# Altium PCB MIN_MOW_Moway_V3 PCB.PcbDoc (part 1 of 2)
Units mm, origin at the board's own origin, x right, y up, seen from the top; angles counter-clockwise.
Board outline 85.53 x 38 mm, 4 copper layers (Top Layer, Mid-Layer 1, Mid-Layer 2, Bottom Layer), stack 1 mm thick; 188 components, 131 nets, 594 pads, 338 vias.
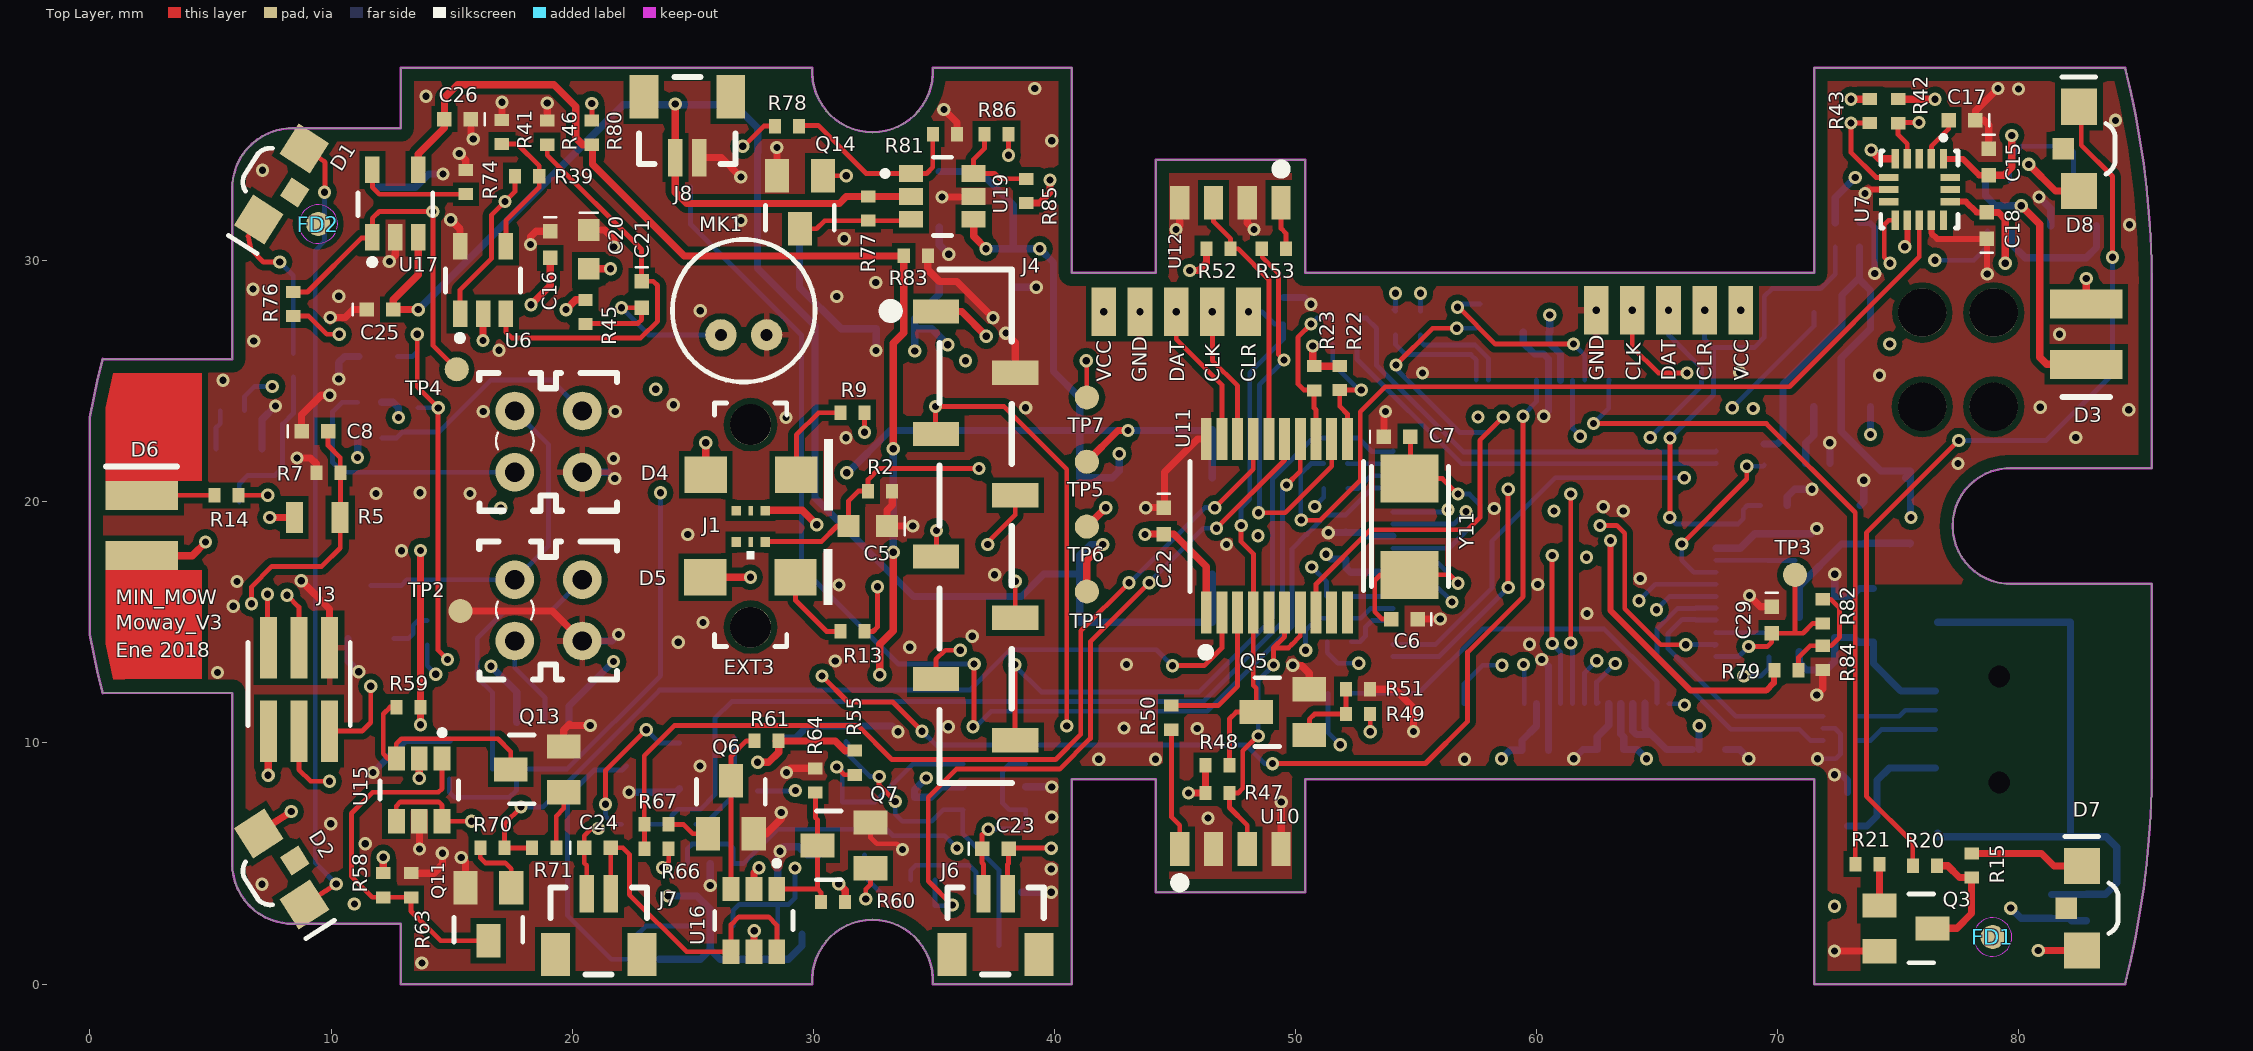
[diagram p0: Top Layer view]
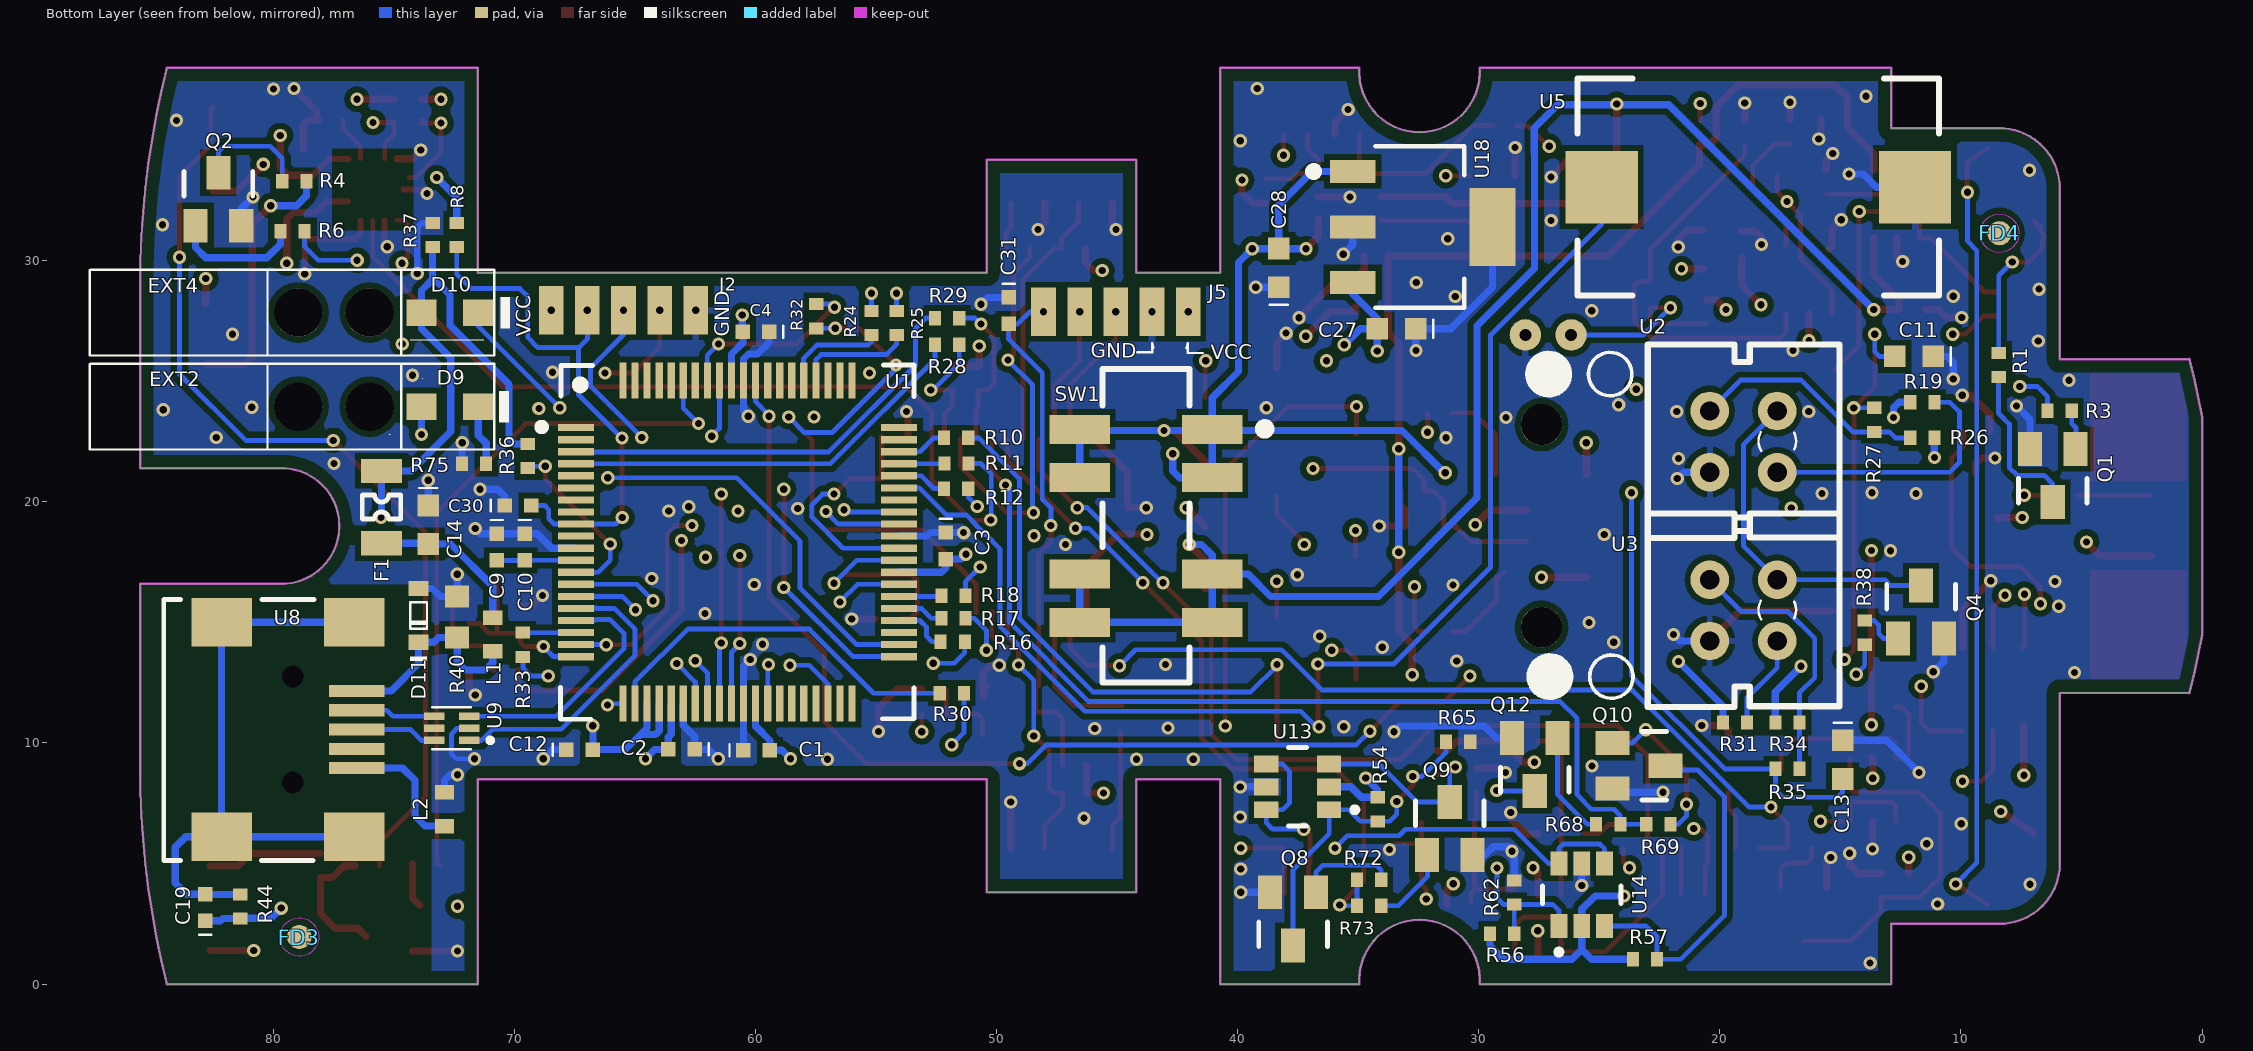
[diagram p1: Bottom Layer view, seen from below]
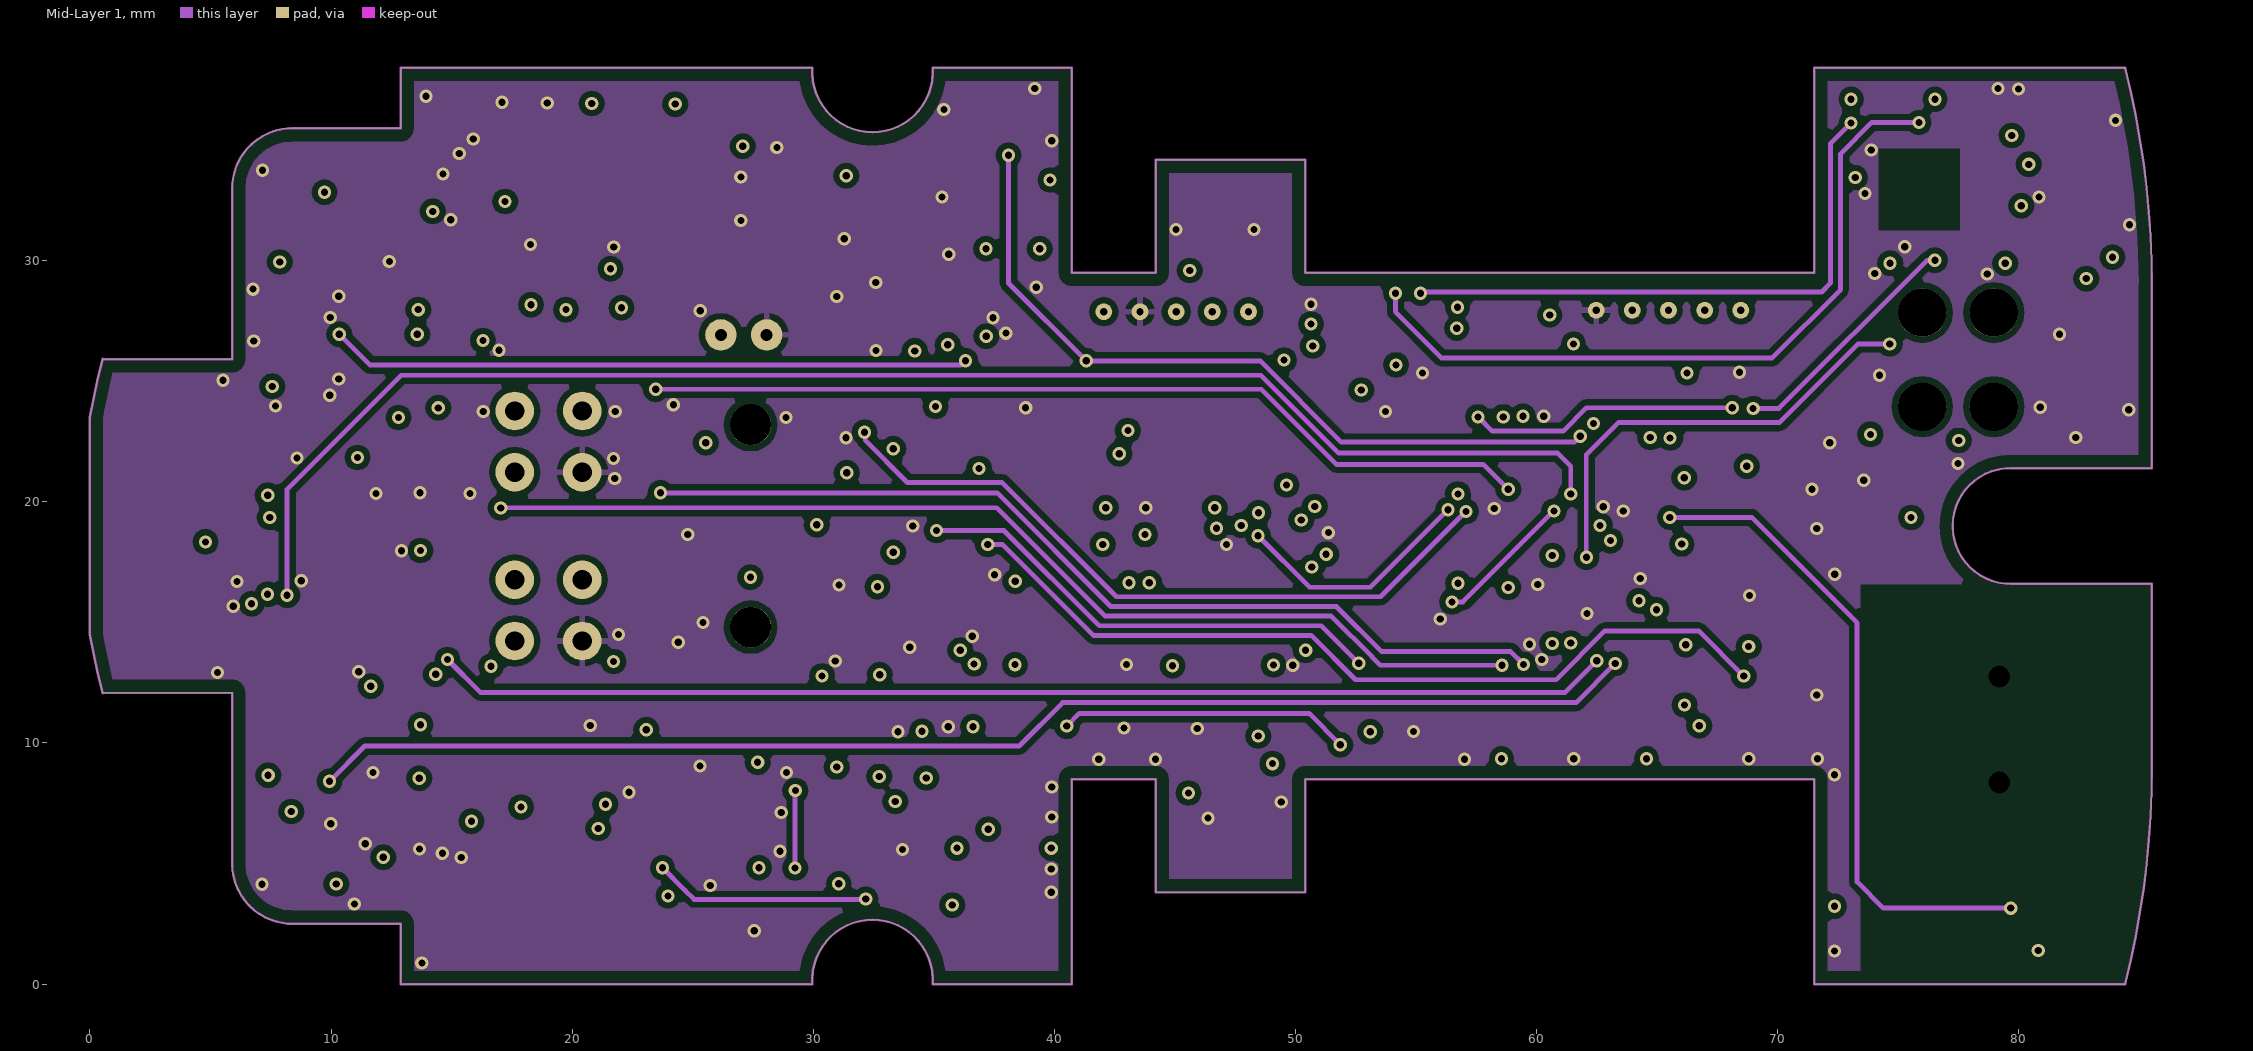
[diagram p2: Mid-Layer 1]
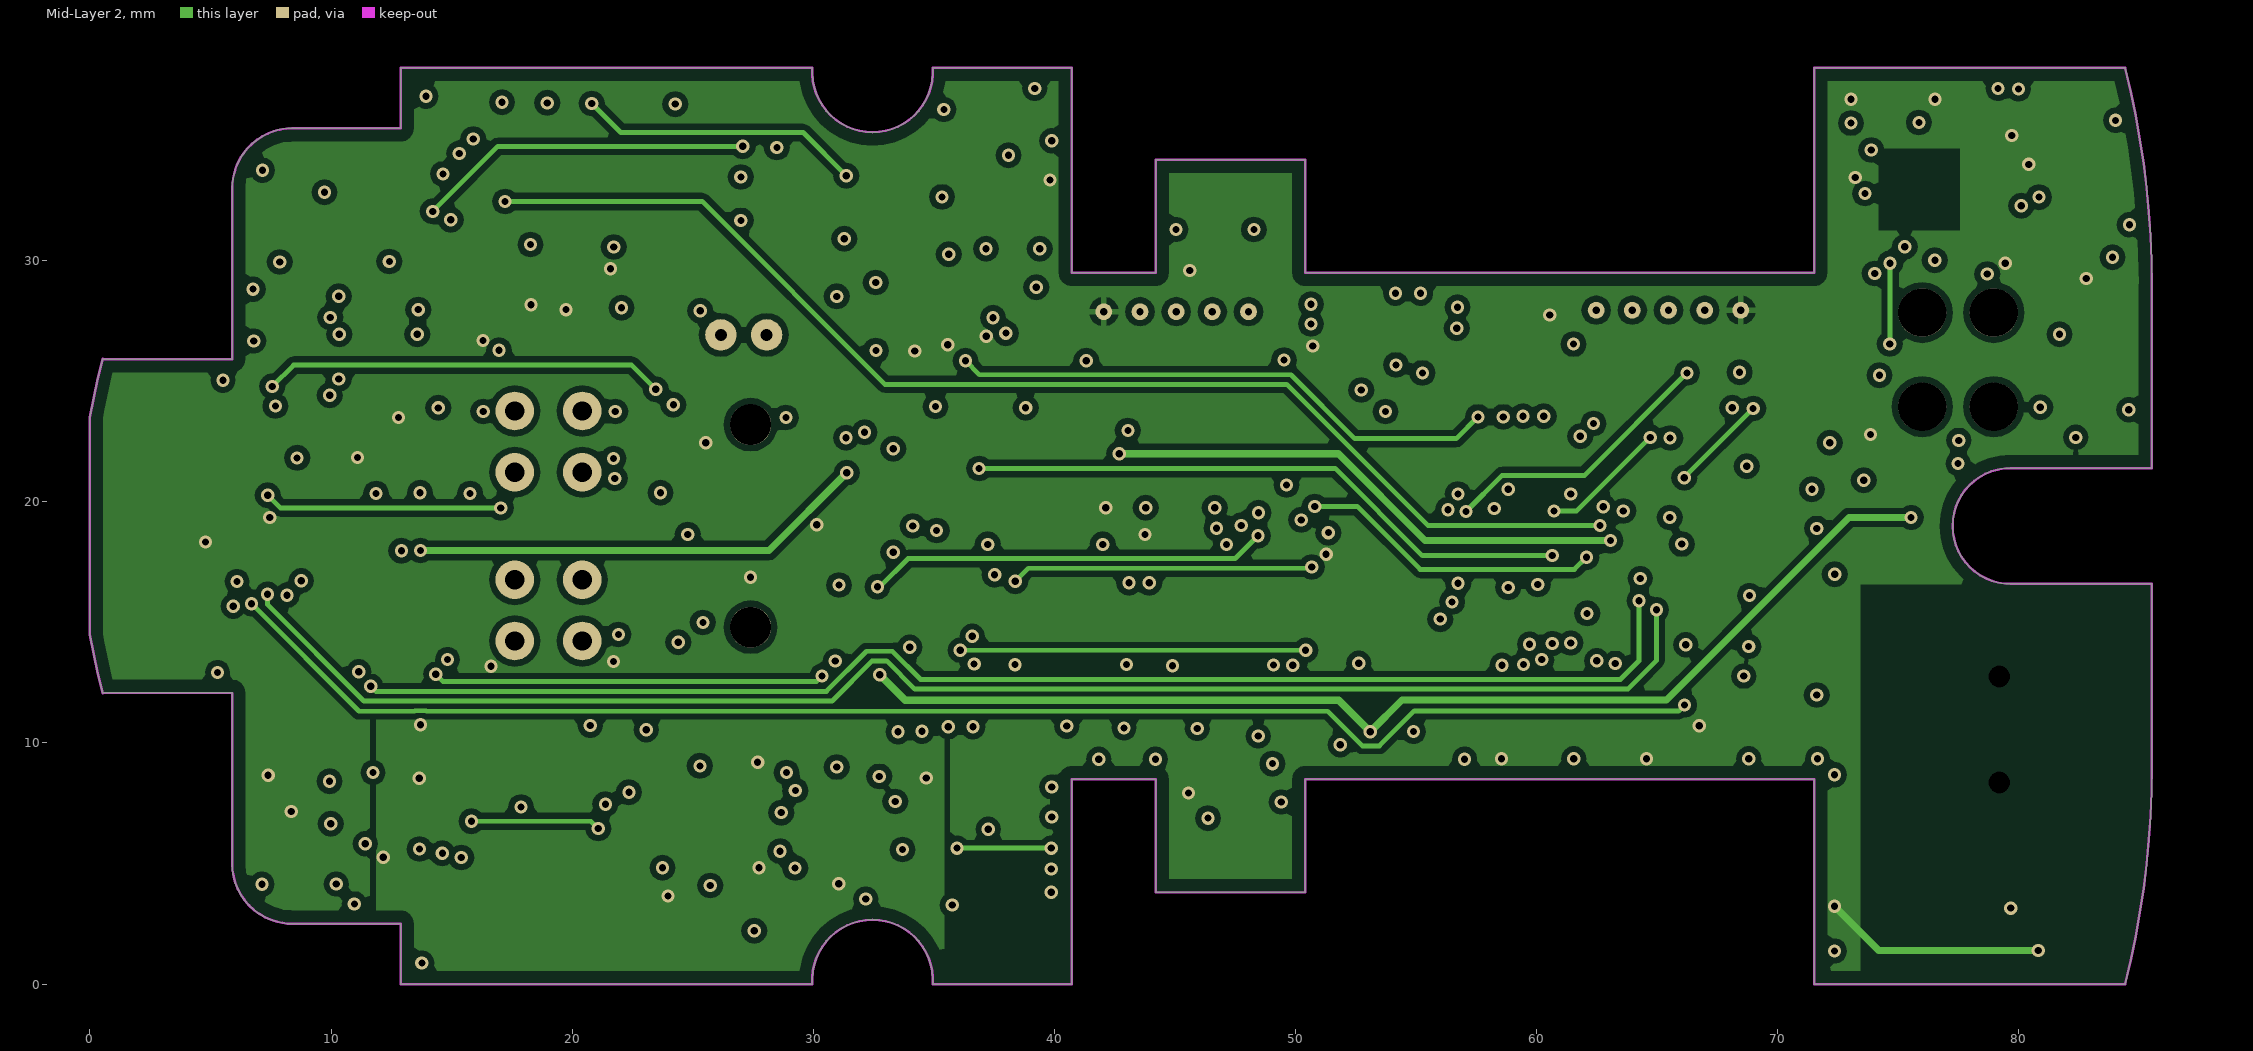
[diagram p3: Mid-Layer 2]
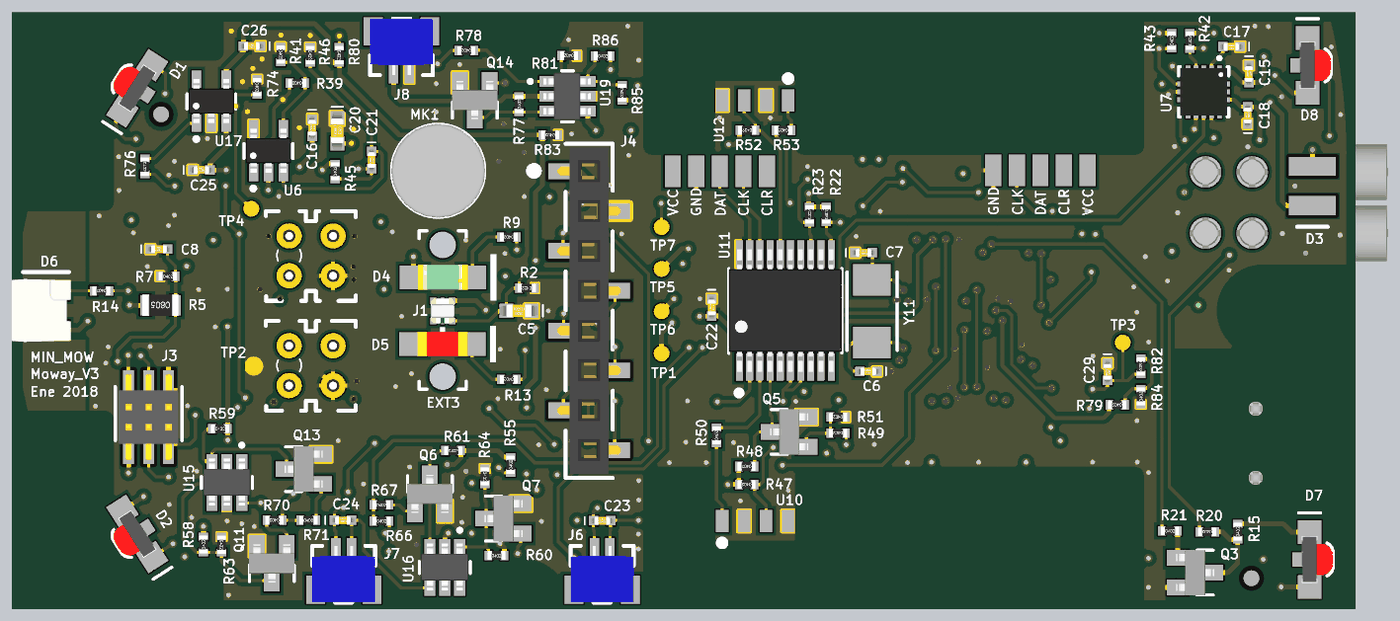
[diagram p5: 3D render of the assembled board from above, using the file's embedded part models]
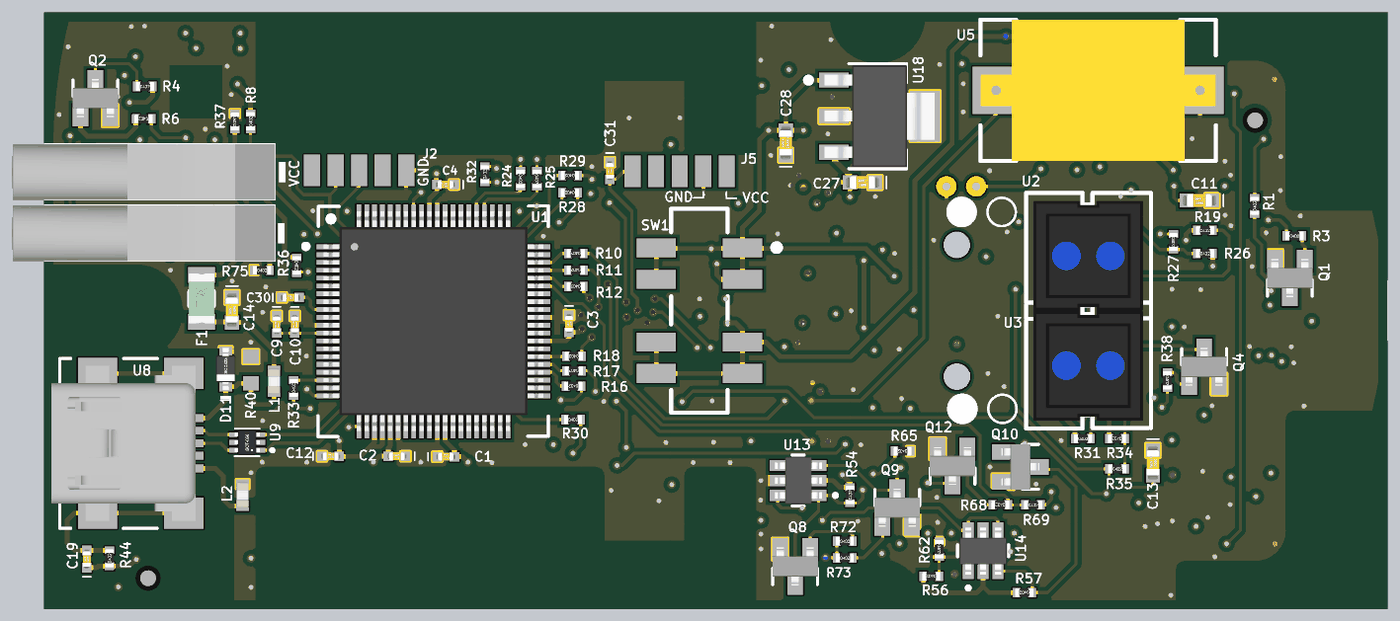
[diagram p6: 3D render of the assembled board from below, using the file's embedded part models]

## Layer stack, top to bottom
Top Layer: signal copper 0.035
Dielectric1: prepreg 0.18, Dk 4.2
Mid-Layer 1: signal copper 0.035
Dielectric 2: core 0.5, Dk 4.2
Mid-Layer 2: signal copper 0.035
Dielectric 2: prepreg 0.18, Dk 4.2
Bottom Layer: signal copper 0.035

## Board outline
5.9,5 ccw(c8.4,5) 7.77,2.581 ccw(c8.4,5) 8.4,2.5 12.9,2.5 12.9,0 29.966,0 29.965,0 cw(c32.459,0.167) 34.954,0 34.953,0 40.725,0 40.725,8.5 44.205,8.5 44.205,3.8 50.405,3.8 50.405,8.5 71.525,8.5 71.525,0 84.414,0 ccw(c48.525,9) 85.525,9 85.525,16.6 79.674,16.6 cw(c79.662,19) 79.662,21.4 85.525,21.4 85.525,29 ccw(c48.525,29) 84.414,38 71.525,38 71.525,29.5 50.405,29.5 50.405,34.2 44.205,34.2 44.205,29.5 40.725,29.5 40.725,38 34.953,38 34.954,38 cw(c32.459,37.833) 29.965,38 29.966,38 12.9,38 12.9,35.5 8.4,35.5 ccw(c8.4,33) 7.614,35.373 ccw(c8.4,33) 5.9,33 5.9,25.925 0.549,25.925 0.53,25.93 ccw(c26.457,19) 0,23.5 0,14.5 ccw(c26.457,19) 0.53,12.07 0.549,12.075 5.9,12.075

## Design rules (kind name [scope] priority, off if disabled: settings)
Clearance Clearance_1 [InComponent('D1','D2','J6','J7','J8') vs OnLayer('Keep-Out Layer')] p1: gap=0 ignorepadtopadclearanceinfootprint=FALSE
Clearance Clearance_Antenna [InNetClass('Antenna')] p2: gap=0.2 ignorepadtopadclearanceinfootprint=FALSE except(0: Arc-Hole Track-Hole SMDPad-Hole THPad-Hole Via-Hole Fill-Hole Poly-Hole Region-Hole Text-Hole)
Clearance Clearance_Contorno [All vs (OnLayer('Keep-Out Layer'))] p3: gap=0.5 ignorepadtopadclearanceinfootprint=FALSE except(0: Arc-Hole Track-Hole SMDPad-Hole THPad-Hole Via-Hole Fill-Hole Poly-Hole Region-Hole Text-Hole)
Clearance Clearance_Poly [All vs IsRegion] p4: gap=0.25 ignorepadtopadclearanceinfootprint=FALSE except(0: Arc-Hole Track-Hole SMDPad-Hole THPad-Hole Via-Hole Fill-Hole Poly-Hole Region-Hole Text-Hole)
Clearance [All] p5: gap=0.2 ignorepadtopadclearanceinfootprint=TRUE except(0: Arc-Hole Track-Hole SMDPad-Hole THPad-Hole Via-Hole Fill-Hole Poly-Hole Region-Hole Text-Hole)
DiffPairsRouting [All] p1: maxlimit=0.254 minlimit=0.254 mostfreqgap=0.254 toplayer_minwidth=0.2 toplayer_maxwidth=0.381 toplayer_prefwidth=0.381 midlayer1_minwidth=0.2 midlayer1_maxwidth=0.381 midlayer1_prefwidth=0.381 midlayer2_minwidth=0.2 midlayer2_maxwidth=0.381 midlayer2_prefwidth=0.381 bottomlayer_minwidth=0.2 bottomlayer_maxwidth=0.381 bottomlayer_prefwidth=0.381 maxuncoupledlength=12.7
HoleSize [All] p1: absolutevalues=TRUE maxlimit=5 minlimit=0.3 maxpercent=80.000 minpercent=20.000
HoleToHoleClearance [All] p1: gap=0.4 allowstackedmicrovias=TRUE
MinimumSolderMaskSliver MinimumSolderMaskSliver_1 [InComponent('U7','U19','J1','U16','U15','U8','U13','U14')] p1: minsoldermaskwidth=0.01
MinimumSolderMaskSliver [All] p2: minsoldermaskwidth=0.1
PlaneClearance [All] p1: clearance=0.4
PlaneConnect [All] p1: planeconnectstyle=Relief reliefexpansion=0.4 reliefentries=4 reliefconductorwidth=0.25 reliefairgap=0.25
PolygonConnect PolygonConnect_1 [InComponent('J2','J3','J5','U2','U3','MK1','U5')] p1: connectstyle=Relief reliefconductorwidth=0.254 reliefentries=4 polygonreliefangle="90 Angle" airgapwidth=0.254
PolygonConnect [All] p2: connectstyle=Direct reliefconductorwidth=0.254 reliefentries=4 polygonreliefangle="90 Angle" airgapwidth=0.254
RoutingVias [All] p1: holewidth=0.4 width=0.8 viastyle="Through Hole" minholewidth=0.3 minwidth=0.66 maxholewidth=0.6 maxwidth=1.2
SilkToSilkClearance SilkToSilkClearance_3 [InComponent('R36','D9') vs InComponent('R36','EXT2','D9')] p1: silktosilkclearance=0.1
SilkToSilkClearance SilkToSilkClearance_2 [InComponent('R37') vs InComponent('U1','D9')] p2: silktosilkclearance=0.1
SilkToSilkClearance SilkToSilkClearance_1 [InComponent('U2','U3') vs InComponent('U2','U3')] p3: silktosilkclearance=0
SilkToSilkClearance [All] p4: silktosilkclearance=0.2
SilkToSolderMaskClearance SilkToSolderMaskClearance_1_0mm [InComponent('EXT2','EXT4','D9','D10') vs InComponent('EXT2','EXT4','D9','D10')] p1: minsilkscreentomaskgap=0 clearancetoexposedcopper=TRUE
SilkToSolderMaskClearance SilkToSolderMaskClearance_2_0mm [InComponent('U2','U3') vs InComponent('U2','U3')] p2: minsilkscreentomaskgap=0 clearancetoexposedcopper=TRUE
SilkToSolderMaskClearance SilkToSolderMaskClearance_TOP_0.1mm [InComponent('J1') vs InComponent('J1')] p3: minsilkscreentomaskgap=0.15 clearancetoexposedcopper=TRUE
SilkToSolderMaskClearance SilkToSolderMaskClearance_BOT_0.1mm [InComponent('r36') vs OnLayer('Bottom Overlay')] p4: minsilkscreentomaskgap=0.15 clearancetoexposedcopper=TRUE
SilkToSolderMaskClearance SilkToSolderMaskClearance_1 [HasFootprint('SOD323_ONSEMI') vs HasFootprint('SOD323_ONSEMI')] p5: minsilkscreentomaskgap=0.05 clearancetoexposedcopper=TRUE
SilkToSolderMaskClearance SilkToSolderMaskClearance_BOT_0.15mm [InComponent('D11','R25','R29','R25','U9') vs OnLayer('Bottom Overlay')] p6: minsilkscreentomaskgap=0.15 clearancetoexposedcopper=TRUE
SilkToSolderMaskClearance SilkToSolderMaskClearance_3 [HasFootprint('C0603') vs HasFootprint('C0603')] p7: minsilkscreentomaskgap=0.15 clearancetoexposedcopper=TRUE
SilkToSolderMaskClearance SilkToSolderMaskClearance_4 [HasFootprint('C0402') vs HasFootprint('C0402')] p8: minsilkscreentomaskgap=0.15 clearancetoexposedcopper=TRUE
SilkToSolderMaskClearance [IsPad] p9: minsilkscreentomaskgap=0.2 clearancetoexposedcopper=TRUE
SolderMaskExpansion [All] p1: expansion=0.102
Width Width_Antenna [InNetClass('Antenna')] p1: maxlimit=0.254 minlimit=0.254 preferedwidth=0.254
Width [All] p2: maxlimit=1 minlimit=0.2 preferedwidth=0.3 minimp=50.000000 maximp=50.000000 favimp=50.000000
22 further rules are at their usual default settings.

## Classes and differential pairs
component class Control_Moway: C1 C2 C3 C4 C5 C6 C7 C8 C9 C10 C11 C12 C13 C14 C15 C16 C17 C18 C19 C20 C21 C30 D1 D2 D3 D4 D5 D6 D7 D8 D11 EXT2 EXT3 EXT4 F1 J1 J2 J3 J4 L1 L2 MK1 Q1 Q2 Q3 Q4 R1 R2 R3 R4 R5 R6 R7 R8 R9 R10 R11 R12 R13 R14 R15 R16 R17 R18 R19 R20 R21 R22 R23 R24 R25 R26 R27 R28 R29 R30 R31 R32 R33 R34 R35 R36 R37 R38 R39 R40 R41 R42 R43 R44 R45 R46 U1 U2 U3 U5 U6 U7 U8 U9 Y11
component class Potencia_Moway: C22 C23 C24 C25 C26 C27 C28 C29 C31 D9 D10 FD1 FD2 FD3 FD4 J5 J6 J7 J8 Q5 Q6 Q7 Q8 Q9 Q10 Q11 Q12 Q13 Q14 R47 R48 R49 R50 R51 R52 R53 R54 R55 R56 R57 R58 R59 R60 R61 R62 R63 R64 R65 R66 R67 R68 R69 R70 R71 R72 R73 R74 R75 R76 R77 R78 R79 R80 R81 R82 R83 R84 R85 R86 SW1 TP1 TP2 TP3 TP4 TP5 TP6 TP7 U10 U11 U12 U13 U14 U15 U16 U17 U18 U19
differential pair USB: +USB_P -USB_N
differential pair USB_CON: +USB_CON_P -USB_CON_N

## Components (designator, comment, footprint, x,y, rotation, side; value= is the part's Value field where it differs from the comment)
C1 "C100NV10X7R0402" C0402 60.503,9.703 r180 bottom value=100nF
C2 "C100NV10X7R0402" C0402 62.522,9.731 r0 bottom value=100nF
C3 "C100NV10X7R0402" C0402 52.105,18.73 r270 bottom value=100nF
C4 "C100NV10X7R0402" C0402 59.425,27.05 r0 bottom value=100nF
C5 "C10UV10X5R0603" C0603 33.064,18.999 r180 top value=10uF
C6 "C18PV10C0G0402" C0402 55.067,15.138 r180 top value=18pF
C7 "C18PV10C0G0402" C0402 53.67,22.708 r0 top value=18pF
C8 "C1UV10X5R0402" C0402 8.78,22.93 r0 top value=1uF
C9 "C4U7V10X5R0402" C0402 70.725,18.675 r270 bottom value=4.7uF
C10 "C100NV10X7R0402" C0402 69.575,18.675 r270 bottom value=100nF
C11 "C33PV10C0G0603" C0603 11.151,26.035 r0 bottom value=33pF
C12 "C1UV10X5R0402" C0402 67.843,9.728 r180 bottom value=1uF
C13 "C33PV10C0G0603" C0603 14.91,10.109 r270 bottom value=33pF
C14 "C10UV10X5R0603" C0603 73.575,19.85 r270 bottom value=10uF
C15 "C100NV10X7R0402" C0402 78.76,34.648 r270 top value=100nF
C16 "C1UV10X5R0402" C0402 19.093,31.225 r270 top value=1uF
C17 "C100NV10X7R0402" C0402 78.2,35.839 r180 top value=100nF
C18 "C4U7V10X5R0402" C0402 78.684,30.907 r90 top value=4.7uF
C19 "C1UV10X5R0402" C0402 82.818,2.625 r90 bottom value=1uF
C20 "C10UV10X5R0603" C0603 20.693,31.275 r270 top value=10uF
C21 "C1UV10X5R0402" C0402 22.88,29.155 r270 top value=1uF
C22 "C100NV10X7R0402" C0402 44.546,19.764 r270 top value=100nF
C23 "C1NV10X7R0402" C0402 37.019,5.62 r0 top value=1nF
C24 "C1NV10X7R0402" C0402 20.505,5.655 r0 top value=1nF
C25 "C4U7V10X5R0402" C0402 11.48,27.98 r0 top value=4.7uF
C26 "C4U7V10X5R0402" C0402 15.8,35.875 r180 top value=4.7uF
C27 "C10UV10X5R0603" C0603 32.614,27.178 r0 bottom value=10uF
C28 "C10UV10X5R0603" C0603 38.298,28.908 r90 bottom value=10uF
C29 "C100NV10X7R0402" C0402 69.755,15.655 r270 top value=100nF
C30 "C1UV10X5R0402" C0402 70.4,19.85 r180 bottom value=1uF
C31 "C1UV10X5R0402" C0402 49.505,28.481 r270 bottom value=1uF
D1 "KPA3010F3C" KPA3010 7.004,31.708 r57.34 top locked
D2 "KPA3010F3C" KPA3010 8.895,3.301 r122.66 top locked
D3 "DNP" KPA3010F3C_MOWAY 82.805,25.705 r90 top
D4 "KPC3216SGC" LED1206G 25.545,21.127 r0 top locked
D5 "KP3216SURC" LED1206 25.52,16.877 r0 top locked
D6 "LWA6SGV2BAJKPL" LWA6SG 2.152,17.769 r90 top locked
D7 "KPA3010EC" KPA3010 82.625,4.897 r270 top locked
D8 "KPA3010EC" KPA3010 82.5,36.393 r270 top locked
D9 "KPHCM2012SURCK" LED0805 73.855,23.955 r180 bottom locked
D10 "KPHCM2012CGCK" LED0805 73.855,27.855 r180 bottom locked
D11 "SD05T1G" SOD323_ONSEMI 73.975,16.405 r270 bottom value=5V
EXT2 "5151049F" 5151049F 78.97,23.95 r270 bottom
EXT3 "PIPE44" PIPE44_MR 27.404,14.801 r0 top locked
EXT4 "5151049F" 5151049F 78.97,27.85 r270 bottom locked
F1 "MFNSMF0752" F1206 75.514,19.787 r270 bottom value=0.75A
FD1 "FIDUCIAL" FIDUCIAL 78.92,1.952 r0 top
FD2 "FIDUCIAL" FIDUCIAL 9.469,31.524 r90 top
FD3 "FIDUCIAL" FIDUCIAL 78.92,1.952 r90 bottom
FD4 "FIDUCIAL" FIDUCIAL 8.402,31.143 r90 bottom
J1 "APDS9005020" APDS9005020 28.007,19.639 r180 top
J2 "PAD_5PIN_TH_2X1MM_1.5MM_PITCH" PAD_5PIN_TH_2X1MM_1.5MM_PITCH 68.476,27.95 r180 bottom locked
J3 "2215203G00DN3U" 22152X03_OUPIIN 7.4,10.496 r0 top locked
J4 "20431X08TDATR" 20431X08TDATR_OUPIIN 35.09,27.895 r270 top locked
J5 "PAD_5PIN_TH_2X1MM_1.5MM_PITCH" PAD_5PIN_TH_2X1MM_1.5MM_PITCH 48.056,27.889 r180 bottom locked
J6 "BM02BSRSSTB" BM02BSRSSTB_JST 38.064,3.751 r180 top
J7 "BM02BSRSSTB" BM02BSRSSTB_JST 21.605,3.751 r180 top
J8 "BM02BSRSSTB" BM02BSRSSTB_JST 24.28,34.28 r0 top
L1 "BLM18PG121SN1D" L0603 70.9,15.2 r270 bottom value="120 Ohm / 100MHz"
L2 "BLM18PG121SN1D" L0603 72.898,7.953 r270 bottom value="120 Ohm / 100MHz"
MK1 "CMC5042PFAC" CMC5042PFAC 28.07,26.927 r90 top
Q1 "BC81740MTF" SOT23_FAIRCHILD 5.242,22.192 r0 bottom value=45V/0.5A
Q2 "DNP" SOT23_FAIRCHILD 83.23,31.455 r180 bottom value=45V/0.5A
Q3 "BC81740MTF" SOT23_FAIRCHILD 74.229,3.261 r270 top value=45V/0.5A
Q4 "BC81740MTF" SOT23_FAIRCHILD 12.605,14.33 r180 bottom value=45V/0.5A
Q5 "BC81740MTF" SOT23_FAIRCHILD 50.58,10.33 r90 top value=45V/0.5A
Q6 "BC81740MTF" SOT23_FAIRCHILD 25.635,6.235 r0 top value=45V/0.5A
Q7 "BC81740MTF" SOT23_FAIRCHILD 32.38,4.805 r90 top value=45V/0.5A